# KiCad board PANEL7x5_ADS1293.kicad_pcb (continued)
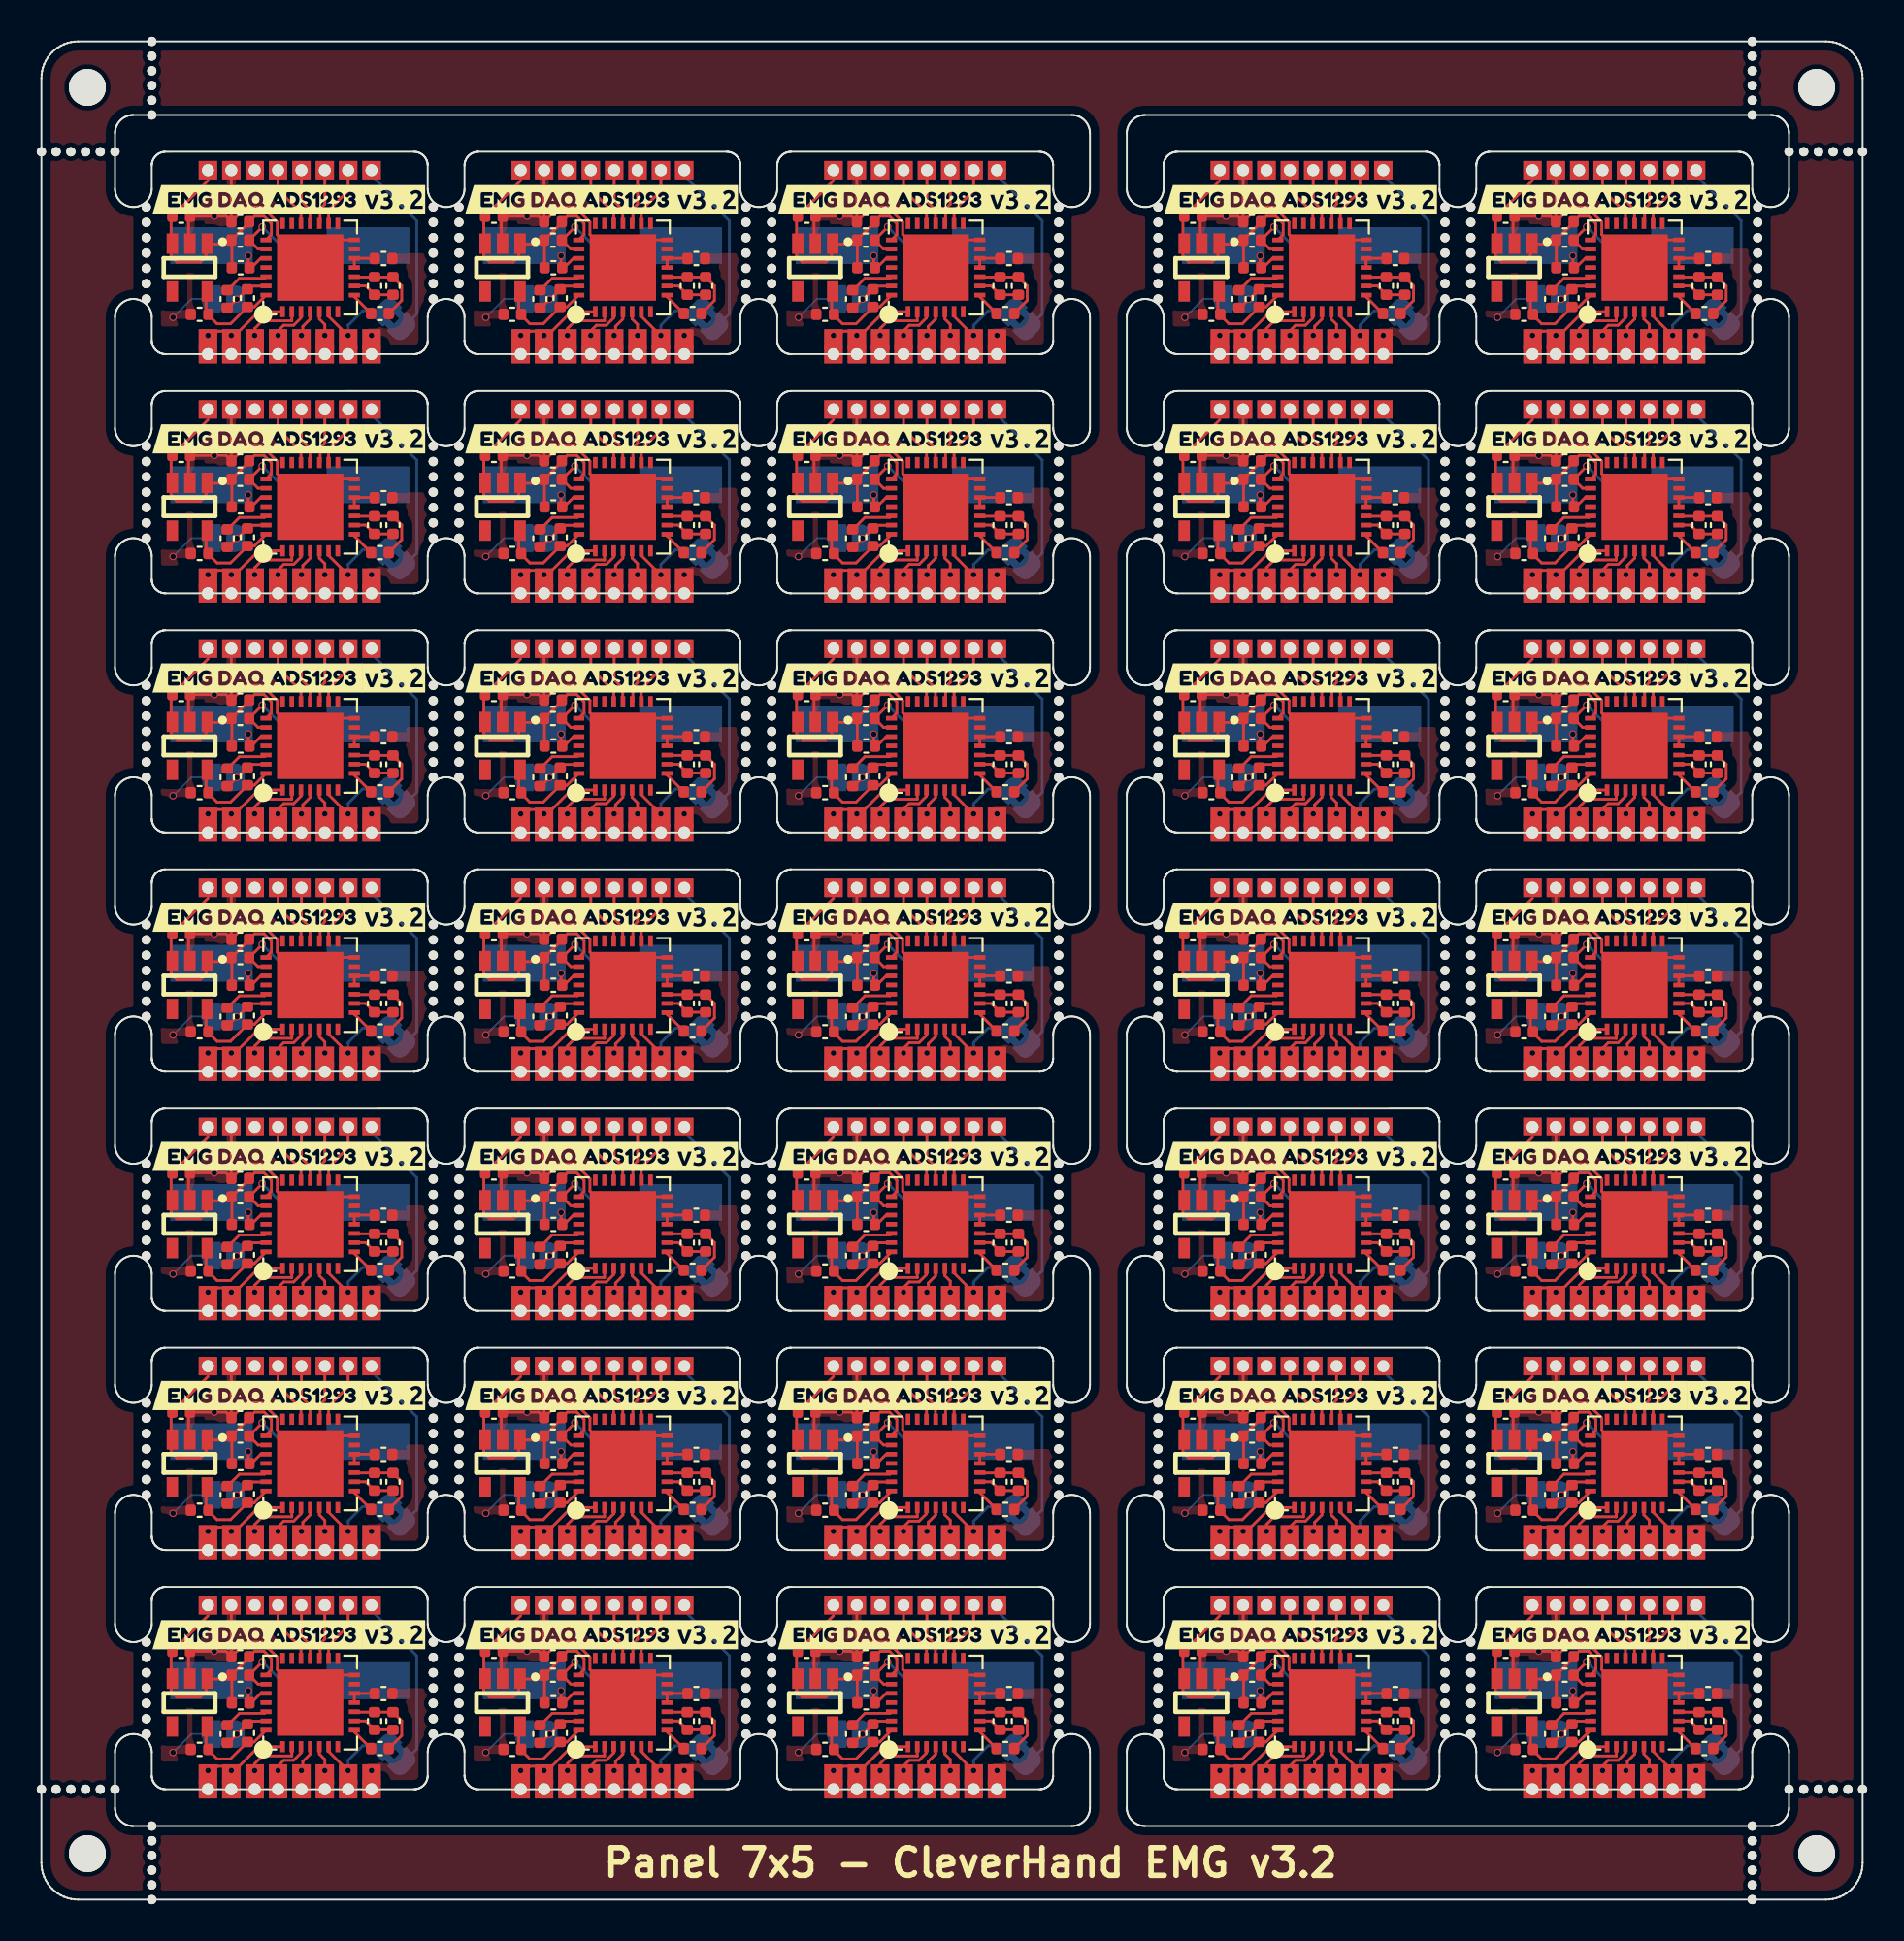
[diagram p0: board, top side]
## Placement (name value [footprint] x y rotation side) (continued)
U2#20  AP2112K-3.3TRG1  [SOT-25-5_L2.9-W1.6-P0.95-LS2.8-BL]  80.07 23.71 180 top
U2#21  AP2112K-3.3TRG1  [SOT-25-5_L2.9-W1.6-P0.95-LS2.8-BL]  25.07 36.71 180 top
U2#22  AP2112K-3.3TRG1  [SOT-25-5_L2.9-W1.6-P0.95-LS2.8-BL]  25.07 75.71 180 top
U2#23  AP2112K-3.3TRG1  [SOT-25-5_L2.9-W1.6-P0.95-LS2.8-BL]  42.07 23.71 180 top
U2#24  AP2112K-3.3TRG1  [SOT-25-5_L2.9-W1.6-P0.95-LS2.8-BL]  42.07 10.71 180 top
U2#25  AP2112K-3.3TRG1  [SOT-25-5_L2.9-W1.6-P0.95-LS2.8-BL]  42.07 36.71 180 top
U2#26  AP2112K-3.3TRG1  [SOT-25-5_L2.9-W1.6-P0.95-LS2.8-BL]  8.07 88.71 180 top
U2#27  AP2112K-3.3TRG1  [SOT-25-5_L2.9-W1.6-P0.95-LS2.8-BL]  80.07 36.71 180 top
U2#28  AP2112K-3.3TRG1  [SOT-25-5_L2.9-W1.6-P0.95-LS2.8-BL]  63.07 49.71 180 top
U2#29  AP2112K-3.3TRG1  [SOT-25-5_L2.9-W1.6-P0.95-LS2.8-BL]  80.07 49.71 180 top
U2#30  AP2112K-3.3TRG1  [SOT-25-5_L2.9-W1.6-P0.95-LS2.8-BL]  42.07 49.71 180 top
U2#31  AP2112K-3.3TRG1  [SOT-25-5_L2.9-W1.6-P0.95-LS2.8-BL]  25.07 23.71 180 top
U2#32  AP2112K-3.3TRG1  [SOT-25-5_L2.9-W1.6-P0.95-LS2.8-BL]  63.07 88.71 180 top
U2#33  AP2112K-3.3TRG1  [SOT-25-5_L2.9-W1.6-P0.95-LS2.8-BL]  8.07 75.71 180 top
U2#34  AP2112K-3.3TRG1  [SOT-25-5_L2.9-W1.6-P0.95-LS2.8-BL]  8.07 23.71 180 top
U2#35  AP2112K-3.3TRG1  [SOT-25-5_L2.9-W1.6-P0.95-LS2.8-BL]  42.07 75.71 180 top
Y1  Crystal  [Crystal_SMD_HC49-SD]  85.5 24.9 180 bottom
Y1#2  Crystal  [Crystal_SMD_HC49-SD]  47.5 76.9 180 bottom
Y1#3  Crystal  [Crystal_SMD_HC49-SD]  85.5 63.9 180 bottom
Y1#4  Crystal  [Crystal_SMD_HC49-SD]  68.5 76.9 180 bottom
Y1#5  Crystal  [Crystal_SMD_HC49-SD]  68.5 63.9 180 bottom
Y1#6  Crystal  [Crystal_SMD_HC49-SD]  68.5 89.9 180 bottom
Y1#7  Crystal  [Crystal_SMD_HC49-SD]  30.5 37.9 180 bottom
Y1#8  Crystal  [Crystal_SMD_HC49-SD]  47.5 11.9 180 bottom
Y1#9  Crystal  [Crystal_SMD_HC49-SD]  13.5 76.9 180 bottom
Y1#10  Crystal  [Crystal_SMD_HC49-SD]  85.5 89.9 180 bottom
Y1#11  Crystal  [Crystal_SMD_HC49-SD]  30.5 89.9 180 bottom
Y1#12  Crystal  [Crystal_SMD_HC49-SD]  68.5 11.9 180 bottom
Y1#13  Crystal  [Crystal_SMD_HC49-SD]  30.5 76.9 180 bottom
Y1#14  Crystal  [Crystal_SMD_HC49-SD]  68.5 50.9 180 bottom
Y1#15  Crystal  [Crystal_SMD_HC49-SD]  13.5 50.9 180 bottom
Y1#16  Crystal  [Crystal_SMD_HC49-SD]  13.5 37.9 180 bottom
Y1#17  Crystal  [Crystal_SMD_HC49-SD]  47.5 89.9 180 bottom
Y1#18  Crystal  [Crystal_SMD_HC49-SD]  47.5 63.9 180 bottom
Y1#19  Crystal  [Crystal_SMD_HC49-SD]  13.5 11.9 180 bottom
Y1#20  Crystal  [Crystal_SMD_HC49-SD]  85.5 76.9 180 bottom
Y1#21  Crystal  [Crystal_SMD_HC49-SD]  85.5 11.9 180 bottom
Y1#22  Crystal  [Crystal_SMD_HC49-SD]  47.5 37.9 180 bottom
Y1#23  Crystal  [Crystal_SMD_HC49-SD]  30.5 50.9 180 bottom
Y1#24  Crystal  [Crystal_SMD_HC49-SD]  30.5 11.9 180 bottom
Y1#25  Crystal  [Crystal_SMD_HC49-SD]  13.5 63.9 180 bottom
Y1#26  Crystal  [Crystal_SMD_HC49-SD]  85.5 50.9 180 bottom
Y1#27  Crystal  [Crystal_SMD_HC49-SD]  47.5 50.9 180 bottom
Y1#28  Crystal  [Crystal_SMD_HC49-SD]  30.5 63.9 180 bottom
Y1#29  Crystal  [Crystal_SMD_HC49-SD]  68.5 37.9 180 bottom
Y1#30  Crystal  [Crystal_SMD_HC49-SD]  13.5 89.9 180 bottom
Y1#31  Crystal  [Crystal_SMD_HC49-SD]  13.5 24.9 180 bottom
Y1#32  Crystal  [Crystal_SMD_HC49-SD]  30.5 24.9 180 bottom
Y1#33  Crystal  [Crystal_SMD_HC49-SD]  47.5 24.9 180 bottom
Y1#34  Crystal  [Crystal_SMD_HC49-SD]  68.5 24.9 180 bottom
Y1#35  Crystal  [Crystal_SMD_HC49-SD]  85.5 37.9 180 bottom

## Library data of the parts
U1 U1#2-U1#35 = -: LCSC: C181260; Field5: *; Field6: *
U2 U2#2-U2#35 = -: Datasheet: https://lcsc.com/product-detail/Low-Dropout-Regulators-LDO_DIODES_AP2112K-3-3TRG1_AP2112K-3-3TRG1_C51118.html; LCSC Part: C51118
Y1 Y1#2-Y1#35 = -: LCSC: C74858

## Footprints (pads in the part's own frame, mm; a bottom-side part is the same pattern mirrored in y, then rotated)
ADS1293CISQE
  rect 0.6x0.25 smd: 1(-2.4,1.5) 2(-2.4,1) 3(-2.4,0.5) 4(-2.4,0) 5(-2.4,-0.5) 6(-2.4,-1) 7(-2.4,-1.5) 15(2.4,-1.5) 16(2.4,-1) 17(2.4,-0.5) 18(2.4,0) 19(2.4,0.5) 20(2.4,1) 21(2.4,1.5)
  rect 0.25x0.6 smd: 8(-1.5,-2.4) 9(-1,-2.4) 10(-0.5,-2.4) 11(0,-2.4) 12(0.5,-2.4) 13(1,-2.4) 14(1.5,-2.4) 22(1.5,2.4) 23(1,2.4) 24(0.5,2.4) 25(0,2.4) 26(-0.5,2.4) 27(-1,2.4) 28(-1.5,2.4)
  rect 3.6x3.6 smd: 29(0,0)
C_0402_1005Metric
  rrect 0.56x0.62 smd: 1(-0.48,0) 2(0.48,0)
Crystal_SMD_HC49-SD
  rect 4.5x2 smd: 1(-4.25,0) 2(4.25,0)
NPTH
  round 0.5 hole 0.5 unplated: (0,0)
NPTH#2
  round 2 hole 2 unplated: (0,0)
PinHeader_1x01_P1.27mm_Vertical
  rect 1x1 hole 0.65: 1(0,0)
SolderJumper-2_P1.3mm_Bridged2Bar_RoundedPad1.0x1.5mm
  custom 1x1.5 smd: 1(-0.65,0) 2(0.65,0)
SOT-25-5_L2.9-W1.6-P0.95-LS2.8-BL
  rect 0.62x1.1 smd: 1(-0.95,-1.3) 2(0,-1.3) 3(0.95,-1.3) 4(0.95,1.3) 5(-0.95,1.3)

## Nets
Board_0-+3.3V: C3#22.1 C4#23.1 C5#34.1 C9#20.1 J13#26.1 U1#15.22 U2#26.1 U2#26.3
Board_0-+3.3VA: C1#13.1 C8#11.1 U1#15.28 U2#26.5
Board_0-/CMOUT: R1#30.2 U1#15.8
Board_0-/CSB: J12#17.1 U1#15.16
Board_0-/cvref: C2#17.1 U1#15.26
Board_0-/extRef: J7#23.1 JP2#7.1
Board_0-/in1: J2#29.1 J3#26.1 U1#15.1
Board_0-/in2: J4#4.1 U1#15.2
Board_0-/in3: J5#8.1 U1#15.3
Board_0-/in4: J6#10.1 U1#15.4
Board_0-/in5: J8#7.1 U1#15.5
Board_0-/in6: J15#33.1 JP2#7.2 U1#15.6
Board_0-/PICO: J10#12.1 U1#15.18
Board_0-/POCI: J9#22.1 U1#15.19
Board_0-/RLDINV: C6#16.1 R1#30.1 R2#32.1 U1#15.10
Board_0-/RLDOUT: C6#16.2 R2#32.2 U1#15.9
Board_0-/RLDREF: C7#15.1 U1#15.11 U1#15.12
Board_0-/SCLK: J11#24.1 U1#15.17
Board_0-GND: C5#34.2 C8#11.2 C9#20.2 J14#3.1 JP1#30.1 U1#15.14 U1#15.29 U2#26.2
Board_0-GNDA: C1#13.2 C2#17.2 C7#15.2 J16#27.1 JP1#30.2 U1#15.27
Board_0-unconnected-(J1-Pin_1-Pad1): J1#4.1
Board_0-unconnected-(U1-ALARMB-Pad15): U1#15.15
Board_0-unconnected-(U1-CLK-Pad21): U1#15.21
Board_0-unconnected-(U1-DRDYB-Pad20): U1#15.20
Board_0-unconnected-(U1-RSTB-Pad25): U1#15.25
Board_0-unconnected-(U1-SYNCB-Pad13): U1#15.13
Board_0-unconnected-(U1-WCT-Pad7): U1#15.7
Board_0-unconnected-(U2-NC-Pad4): U2#26.4
Board_0-XTAL1: C4#23.2 U1#15.23 Y1#30.1
Board_0-XTAL2: C3#22.2 U1#15.24 Y1#30.2
Board_1-+3.3V: C3#10.1 C4#25.1 C5#29.1 C9#10.1 J13#32.1 U1#28.22 U2#18.1 U2#18.3
Board_1-+3.3VA: C1#29.1 C8#33.1 U1#28.28 U2#18.5
Board_1-/CMOUT: R1#25.2 U1#28.8
Board_1-/CSB: J12#13.1 U1#28.16
Board_1-/cvref: C2#11.1 U1#28.26
Board_1-/extRef: J7#10.1 JP2#3.1
Board_1-/in1: J2#9.1 J3#29.1 U1#28.1
Board_1-/in2: J4#12.1 U1#28.2
Board_1-/in3: J5#9.1 U1#28.3
Board_1-/in4: J6#17.1 U1#28.4
Board_1-/in5: J8#26.1 U1#28.5
Board_1-/in6: J15.1 JP2#3.2 U1#28.6
Board_1-/PICO: J10#34.1 U1#28.18
Board_1-/POCI: J9#20.1 U1#28.19
Board_1-/RLDINV: C6#23.1 R1#25.1 R2#35.1 U1#28.10
Board_1-/RLDOUT: C6#23.2 R2#35.2 U1#28.9
Board_1-/RLDREF: C7#13.1 U1#28.11 U1#28.12
Board_1-/SCLK: J11#34.1 U1#28.17
Board_1-GND: C5#29.2 C8#33.2 C9#10.2 J14#21.1 JP1#31.1 U1#28.14 U1#28.29 U2#18.2
Board_1-GNDA: C1#29.2 C2#11.2 C7#13.2 J16#16.1 JP1#31.2 U1#28.27
Board_1-unconnected-(J1-Pin_1-Pad1): J1#20.1
Board_1-unconnected-(U1-ALARMB-Pad15): U1#28.15
Board_1-unconnected-(U1-CLK-Pad21): U1#28.21
Board_1-unconnected-(U1-DRDYB-Pad20): U1#28.20
Board_1-unconnected-(U1-RSTB-Pad25): U1#28.25
Board_1-unconnected-(U1-SYNCB-Pad13): U1#28.13
Board_1-unconnected-(U1-WCT-Pad7): U1#28.7
Board_1-unconnected-(U2-NC-Pad4): U2#18.4
Board_1-XTAL1: C4#25.2 U1#28.23 Y1#11.1
Board_1-XTAL2: C3#10.2 U1#28.24 Y1#11.2
Board_2-+3.3V: C3#17.1 C4#35.1 C5#11.1 C9#5.1 J13#24.1 U1#11.22 U2#13.1 U2#13.3
Board_2-+3.3VA: C1#19.1 C8#21.1 U1#11.28 U2#13.5
Board_2-/CMOUT: R1#9.2 U1#11.8
Board_2-/CSB: J12#31.1 U1#11.16
Board_2-/cvref: C2#2.1 U1#11.26
Board_2-/extRef: J7#30.1 JP2#20.1
Board_2-/in1: J2#17.1 J3#31.1 U1#11.1
Board_2-/in2: J4#25.1 U1#11.2
Board_2-/in3: J5#10.1 U1#11.3
Board_2-/in4: J6#15.1 U1#11.4
Board_2-/in5: J8#34.1 U1#11.5
Board_2-/in6: J15#25.1 JP2#20.2 U1#11.6
Board_2-/PICO: J10#27.1 U1#11.18
Board_2-/POCI: J9#19.1 U1#11.19
Board_2-/RLDINV: C6#8.1 R1#9.1 R2#16.1 U1#11.10
Board_2-/RLDOUT: C6#8.2 R2#16.2 U1#11.9
Board_2-/RLDREF: C7#30.1 U1#11.11 U1#11.12
Board_2-/SCLK: J11#14.1 U1#11.17
Board_2-GND: C5#11.2 C8#21.2 C9#5.2 J14#9.1 JP1#2.1 U1#11.14 U1#11.29 U2#13.2
Board_2-GNDA: C1#19.2 C2#2.2 C7#30.2 J16#6.1 JP1#2.2 U1#11.27
Board_2-unconnected-(J1-Pin_1-Pad1): J1#10.1
Board_2-unconnected-(U1-ALARMB-Pad15): U1#11.15
Board_2-unconnected-(U1-CLK-Pad21): U1#11.21
Board_2-unconnected-(U1-DRDYB-Pad20): U1#11.20
Board_2-unconnected-(U1-RSTB-Pad25): U1#11.25
Board_2-unconnected-(U1-SYNCB-Pad13): U1#11.13
Board_2-unconnected-(U1-WCT-Pad7): U1#11.7
Board_2-unconnected-(U2-NC-Pad4): U2#13.4
Board_2-XTAL1: C4#35.2 U1#11.23 Y1#17.1
Board_2-XTAL2: C3#17.2 U1#11.24 Y1#17.2
Board_3-+3.3V: C3#14.1 C4#4.1 C5#16.1 C9#22.1 J13#25.1 U1#7.22 U2#32.1 U2#32.3
Board_3-+3.3VA: C1#8.1 C8#19.1 U1#7.28 U2#32.5
Board_3-/CMOUT: R1#27.2 U1#7.8
Board_3-/CSB: J12#19.1 U1#7.16
Board_3-/cvref: C2#28.1 U1#7.26
Board_3-/extRef: J7#28.1 JP2#25.1
Board_3-/in1: J2#25.1 J3#32.1 U1#7.1
Board_3-/in2: J4#28.1 U1#7.2
Board_3-/in3: J5#4.1 U1#7.3
Board_3-/in4: J6#19.1 U1#7.4
Board_3-/in5: J8#29.1 U1#7.5
Board_3-/in6: J15#18.1 JP2#25.2 U1#7.6
Board_3-/PICO: J10#35.1 U1#7.18
Board_3-/POCI: J9#11.1 U1#7.19
Board_3-/RLDINV: C6#17.1 R1#27.1 R2#2.1 U1#7.10
Board_3-/RLDOUT: C6#17.2 R2#2.2 U1#7.9
Board_3-/RLDREF: C7#7.1 U1#7.11 U1#7.12
Board_3-/SCLK: J11#25.1 U1#7.17
Board_3-GND: C5#16.2 C8#19.2 C9#22.2 J14#5.1 JP1.1 U1#7.14 U1#7.29 U2#32.2
Board_3-GNDA: C1#8.2 C2#28.2 C7#7.2 J16#3.1 JP1.2 U1#7.27
Board_3-unconnected-(J1-Pin_1-Pad1): J1#26.1
Board_3-unconnected-(U1-ALARMB-Pad15): U1#7.15
Board_3-unconnected-(U1-CLK-Pad21): U1#7.21
Board_3-unconnected-(U1-DRDYB-Pad20): U1#7.20
Board_3-unconnected-(U1-RSTB-Pad25): U1#7.25
Board_3-unconnected-(U1-SYNCB-Pad13): U1#7.13
Board_3-unconnected-(U1-WCT-Pad7): U1#7.7
Board_3-unconnected-(U2-NC-Pad4): U2#32.4
Board_3-XTAL1: C4#4.2 U1#7.23 Y1#6.1
Board_3-XTAL2: C3#14.2 U1#7.24 Y1#6.2
Board_4-+3.3V: C3#6.1 C4#34.1 C5#14.1 C9#3.1 J13#19.1 U1#18.22 U2#11.1 U2#11.3
Board_4-+3.3VA: C1#25.1 C8#10.1 U1#18.28 U2#11.5
Board_4-/CMOUT: R1#10.2 U1#18.8
Board_4-/CSB: J12#28.1 U1#18.16
Board_4-/cvref: C2#19.1 U1#18.26
Board_4-/extRef: J7#18.1 JP2#29.1
Board_4-/in1: J2#24.1 J3#25.1 U1#18.1
Board_4-/in2: J4#17.1 U1#18.2
Board_4-/in3: J5#14.1 U1#18.3
Board_4-/in4: J6#22.1 U1#18.4
Board_4-/in5: J8#21.1 U1#18.5
Board_4-/in6: J15#24.1 JP2#29.2 U1#18.6
Board_4-/PICO: J10#4.1 U1#18.18
Board_4-/POCI: J9#33.1 U1#18.19
Board_4-/RLDINV: C6#27.1 R1#10.1 R2.1 U1#18.10
Board_4-/RLDOUT: C6#27.2 R2.2 U1#18.9
Board_4-/RLDREF: C7#26.1 U1#18.11 U1#18.12
Board_4-/SCLK: J11#22.1 U1#18.17
Board_4-GND: C5#14.2 C8#10.2 C9#3.2 J14#22.1 JP1#29.1 U1#18.14 U1#18.29 U2#11.2
Board_4-GNDA: C1#25.2 C2#19.2 C7#26.2 J16#30.1 JP1#29.2 U1#18.27
Board_4-unconnected-(J1-Pin_1-Pad1): J1#13.1
Board_4-unconnected-(U1-ALARMB-Pad15): U1#18.15
Board_4-unconnected-(U1-CLK-Pad21): U1#18.21
Board_4-unconnected-(U1-DRDYB-Pad20): U1#18.20
Board_4-unconnected-(U1-RSTB-Pad25): U1#18.25
Board_4-unconnected-(U1-SYNCB-Pad13): U1#18.13
Board_4-unconnected-(U1-WCT-Pad7): U1#18.7
Board_4-unconnected-(U2-NC-Pad4): U2#11.4
Board_4-XTAL1: C4#34.2 U1#18.23 Y1#10.1
Board_4-XTAL2: C3#6.2 U1#18.24 Y1#10.2
Board_5-+3.3V: C3#3.1 C4#30.1 C5#7.1 C9#24.1 J13#33.1 U1#23.22 U2#33.1 U2#33.3
Board_5-+3.3VA: C1#24.1 C8#17.1 U1#23.28 U2#33.5
Board_5-/CMOUT: R1#26.2 U1#23.8
Board_5-/CSB: J12#10.1 U1#23.16
Board_5-/cvref: C2#9.1 U1#23.26
Board_5-/extRef: J7#11.1 JP2#14.1
Board_5-/in1: J2#8.1 J3#14.1 U1#23.1
Board_5-/in2: J4#21.1 U1#23.2
Board_5-/in3: J5#3.1 U1#23.3
Board_5-/in4: J6#8.1 U1#23.4
Board_5-/in5: J8#14.1 U1#23.5
Board_5-/in6: J15#32.1 JP2#14.2 U1#23.6
Board_5-/PICO: J10#6.1 U1#23.18
Board_5-/POCI: J9#6.1 U1#23.19
Board_5-/RLDINV: C6#32.1 R1#26.1 R2#27.1 U1#23.10
Board_5-/RLDOUT: C6#32.2 R2#27.2 U1#23.9
Board_5-/RLDREF: C7#29.1 U1#23.11 U1#23.12
Board_5-/SCLK: J11#8.1 U1#23.17
Board_5-GND: C5#7.2 C8#17.2 C9#24.2 J14#28.1 JP1#3.1 U1#23.14 U1#23.29 U2#33.2
Board_5-GNDA: C1#24.2 C2#9.2 C7#29.2 J16#5.1 JP1#3.2 U1#23.27
Board_5-unconnected-(J1-Pin_1-Pad1): J1#6.1
Board_5-unconnected-(U1-ALARMB-Pad15): U1#23.15
Board_5-unconnected-(U1-CLK-Pad21): U1#23.21
Board_5-unconnected-(U1-DRDYB-Pad20): U1#23.20
Board_5-unconnected-(U1-RSTB-Pad25): U1#23.25
Board_5-unconnected-(U1-SYNCB-Pad13): U1#23.13
Board_5-unconnected-(U1-WCT-Pad7): U1#23.7
Board_5-unconnected-(U2-NC-Pad4): U2#33.4
Board_5-XTAL1: C4#30.2 U1#23.23 Y1#9.1
Board_5-XTAL2: C3#3.2 U1#23.24 Y1#9.2
Board_6-+3.3V: C3#29.1 C4#21.1 C5#23.1 C9#9.1 J13#23.1 U1#31.22 U2#22.1 U2#22.3
Board_6-+3.3VA: C1#7.1 C8#22.1 U1#31.28 U2#22.5
Board_6-/CMOUT: R1#28.2 U1#31.8
Board_6-/CSB: J12#8.1 U1#31.16
Board_6-/cvref: C2.1 U1#31.26
Board_6-/extRef: J7#34.1 JP2#35.1
Board_6-/in1: J2#6.1 J3#5.1 U1#31.1
Board_6-/in2: J4#30.1 U1#31.2
Board_6-/in3: J5.1 U1#31.3
Board_6-/in4: J6#20.1 U1#31.4
Board_6-/in5: J8#19.1 U1#31.5
Board_6-/in6: J15#16.1 JP2#35.2 U1#31.6
Board_6-/PICO: J10#9.1 U1#31.18
Board_6-/POCI: J9#27.1 U1#31.19
Board_6-/RLDINV: C6#5.1 R1#28.1 R2#6.1 U1#31.10
Board_6-/RLDOUT: C6#5.2 R2#6.2 U1#31.9
Board_6-/RLDREF: C7#8.1 U1#31.11 U1#31.12
Board_6-/SCLK: J11#17.1 U1#31.17
Board_6-GND: C5#23.2 C8#22.2 C9#9.2 J14#31.1 JP1#24.1 U1#31.14 U1#31.29 U2#22.2
Board_6-GNDA: C1#7.2 C2.2 C7#8.2 J16.1 JP1#24.2 U1#31.27
Board_6-unconnected-(J1-Pin_1-Pad1): J1#23.1
Board_6-unconnected-(U1-ALARMB-Pad15): U1#31.15
Board_6-unconnected-(U1-CLK-Pad21): U1#31.21
Board_6-unconnected-(U1-DRDYB-Pad20): U1#31.20
Board_6-unconnected-(U1-RSTB-Pad25): U1#31.25
Board_6-unconnected-(U1-SYNCB-Pad13): U1#31.13
Board_6-unconnected-(U1-WCT-Pad7): U1#31.7
Board_6-unconnected-(U2-NC-Pad4): U2#22.4
Board_6-XTAL1: C4#21.2 U1#31.23 Y1#13.1
Board_6-XTAL2: C3#29.2 U1#31.24 Y1#13.2
Board_7-+3.3V: C3#11.1 C4#9.1 C5#9.1 C9#35.1 J13#22.1 U1#30.22 U2#35.1 U2#35.3
Board_7-+3.3VA: C1#9.1 C8#35.1 U1#30.28 U2#35.5
Board_7-/CMOUT: R1#6.2 U1#30.8
Board_7-/CSB: J12#11.1 U1#30.16
Board_7-/cvref: C2#5.1 U1#30.26
Board_7-/extRef: J7#8.1 JP2#11.1
Board_7-/in1: J2#4.1 J3#18.1 U1#30.1
Board_7-/in2: J4#3.1 U1#30.2
Board_7-/in3: J5#25.1 U1#30.3
Board_7-/in4: J6#23.1 U1#30.4
Board_7-/in5: J8.1 U1#30.5
Board_7-/in6: J15#12.1 JP2#11.2 U1#30.6
Board_7-/PICO: J10#15.1 U1#30.18
Board_7-/POCI: J9#16.1 U1#30.19
Board_7-/RLDINV: C6#14.1 R1#6.1 R2#24.1 U1#30.10
Board_7-/RLDOUT: C6#14.2 R2#24.2 U1#30.9
Board_7-/RLDREF: C7#22.1 U1#30.11 U1#30.12
Board_7-/SCLK: J11#23.1 U1#30.17
Board_7-GND: C5#9.2 C8#35.2 C9#35.2 J14#19.1 JP1#16.1 U1#30.14 U1#30.29 U2#35.2
Board_7-GNDA: C1#9.2 C2#5.2 C7#22.2 J16#24.1 JP1#16.2 U1#30.27
Board_7-unconnected-(J1-Pin_1-Pad1): J1#32.1
Board_7-unconnected-(U1-ALARMB-Pad15): U1#30.15
Board_7-unconnected-(U1-CLK-Pad21): U1#30.21
Board_7-unconnected-(U1-DRDYB-Pad20): U1#30.20
Board_7-unconnected-(U1-RSTB-Pad25): U1#30.25
Board_7-unconnected-(U1-SYNCB-Pad13): U1#30.13
Board_7-unconnected-(U1-WCT-Pad7): U1#30.7
Board_7-unconnected-(U2-NC-Pad4): U2#35.4
Board_7-XTAL1: C4#9.2 U1#30.23 Y1#2.1
Board_7-XTAL2: C3#11.2 U1#30.24 Y1#2.2
Board_8-+3.3V: C3#7.1 C4#33.1 C5#12.1 C9#19.1 J13#5.1 U1#27.22 U2#8.1 U2#8.3
Board_8-+3.3VA: C1#10.1 C8#14.1 U1#27.28 U2#8.5
Board_8-/CMOUT: R1#12.2 U1#27.8
Board_8-/CSB: J12#26.1 U1#27.16
Board_8-/cvref: C2#29.1 U1#27.26
Board_8-/extRef: J7#25.1 JP2#15.1
Board_8-/in1: J2#12.1 J3#2.1 U1#27.1
Board_8-/in2: J4.1 U1#27.2
Board_8-/in3: J5#11.1 U1#27.3
Board_8-/in4: J6#34.1 U1#27.4
Board_8-/in5: J8#31.1 U1#27.5
Board_8-/in6: J15#5.1 JP2#15.2 U1#27.6
Board_8-/PICO: J10#31.1 U1#27.18
Board_8-/POCI: J9#9.1 U1#27.19
Board_8-/RLDINV: C6#21.1 R1#12.1 R2#7.1 U1#27.10
Board_8-/RLDOUT: C6#21.2 R2#7.2 U1#27.9
Board_8-/RLDREF: C7#27.1 U1#27.11 U1#27.12
Board_8-/SCLK: J11#15.1 U1#27.17
Board_8-GND: C5#12.2 C8#14.2 C9#19.2 J14#33.1 JP1#7.1 U1#27.14 U1#27.29 U2#8.2
Board_8-GNDA: C1#10.2 C2#29.2 C7#27.2 J16#35.1 JP1#7.2 U1#27.27
Board_8-unconnected-(J1-Pin_1-Pad1): J1#24.1
Board_8-unconnected-(U1-ALARMB-Pad15): U1#27.15
Board_8-unconnected-(U1-CLK-Pad21): U1#27.21
Board_8-unconnected-(U1-DRDYB-Pad20): U1#27.20
Board_8-unconnected-(U1-RSTB-Pad25): U1#27.25
Board_8-unconnected-(U1-SYNCB-Pad13): U1#27.13
Board_8-unconnected-(U1-WCT-Pad7): U1#27.7
Board_8-unconnected-(U2-NC-Pad4): U2#8.4
Board_8-XTAL1: C4#33.2 U1#27.23 Y1#4.1
Board_8-XTAL2: C3#7.2 U1#27.24 Y1#4.2
Board_9-+3.3V: C3#34.1 C4#20.1 C5#24.1 C9#27.1 J13#3.1 U1#5.22 U2#19.1 U2#19.3
Board_9-+3.3VA: C1#17.1 C8#16.1 U1#5.28 U2#19.5
Board_9-/CMOUT: R1#13.2 U1#5.8
Board_9-/CSB: J12#14.1 U1#5.16
Board_9-/cvref: C2#7.1 U1#5.26
Board_9-/extRef: J7#35.1 JP2#23.1
Board_9-/in1: J2#34.1 J3#17.1 U1#5.1
Board_9-/in2: J4#7.1 U1#5.2
Board_9-/in3: J5#27.1 U1#5.3
Board_9-/in4: J6#18.1 U1#5.4
Board_9-/in5: J8#10.1 U1#5.5
Board_9-/in6: J15#11.1 JP2#23.2 U1#5.6
Board_9-/PICO: J10#25.1 U1#5.18
Board_9-/POCI: J9#30.1 U1#5.19
Board_9-/RLDINV: C6#28.1 R1#13.1 R2#12.1 U1#5.10
Board_9-/RLDOUT: C6#28.2 R2#12.2 U1#5.9
Board_9-/RLDREF: C7#10.1 U1#5.11 U1#5.12
Board_9-/SCLK: J11#16.1 U1#5.17
Board_9-GND: C5#24.2 C8#16.2 C9#27.2 J14#17.1 JP1#21.1 U1#5.14 U1#5.29 U2#19.2
Board_9-GNDA: C1#17.2 C2#7.2 C7#10.2 J16#9.1 JP1#21.2 U1#5.27
Board_9-unconnected-(J1-Pin_1-Pad1): J1#27.1
Board_9-unconnected-(U1-ALARMB-Pad15): U1#5.15
Board_9-unconnected-(U1-CLK-Pad21): U1#5.21
Board_9-unconnected-(U1-DRDYB-Pad20): U1#5.20
Board_9-unconnected-(U1-RSTB-Pad25): U1#5.25
Board_9-unconnected-(U1-SYNCB-Pad13): U1#5.13
Board_9-unconnected-(U1-WCT-Pad7): U1#5.7
Board_9-unconnected-(U2-NC-Pad4): U2#19.4
Board_9-XTAL1: C4#20.2 U1#5.23 Y1#20.1
Board_9-XTAL2: C3#34.2 U1#5.24 Y1#20.2
Board_10-+3.3V: C3.1 C4#26.1 C5#26.1 C9#17.1 J13#30.1 U1#3.22 U2.1 U2.3
Board_10-+3.3VA: C1#15.1 C8#23.1 U1#3.28 U2.5
Board_10-/CMOUT: R1#22.2 U1#3.8
Board_10-/CSB: J12#18.1 U1#3.16
Board_10-/cvref: C2#30.1 U1#3.26
Board_10-/extRef: J7#13.1 JP2#26.1
Board_10-/in1: J2#32.1 J3#28.1 U1#3.1
Board_10-/in2: J4#27.1 U1#3.2
Board_10-/in3: J5#31.1 U1#3.3
Board_10-/in4: J6#6.1 U1#3.4
Board_10-/in5: J8#22.1 U1#3.5
Board_10-/in6: J15#17.1 JP2#26.2 U1#3.6
Board_10-/PICO: J10#24.1 U1#3.18
Board_10-/POCI: J9#34.1 U1#3.19
Board_10-/RLDINV: C6.1 R1#22.1 R2#19.1 U1#3.10
Board_10-/RLDOUT: C6.2 R2#19.2 U1#3.9
Board_10-/RLDREF: C7#18.1 U1#3.11 U1#3.12
Board_10-/SCLK: J11#27.1 U1#3.17
Board_10-GND: C5#26.2 C8#23.2 C9#17.2 J14#13.1 JP1#13.1 U1#3.14 U1#3.29 U2.2
Board_10-GNDA: C1#15.2 C2#30.2 C7#18.2 J16#31.1 JP1#13.2 U1#3.27
Board_10-unconnected-(J1-Pin_1-Pad1): J1#21.1
Board_10-unconnected-(U1-ALARMB-Pad15): U1#3.15
Board_10-unconnected-(U1-CLK-Pad21): U1#3.21
Board_10-unconnected-(U1-DRDYB-Pad20): U1#3.20
Board_10-unconnected-(U1-RSTB-Pad25): U1#3.25
Board_10-unconnected-(U1-SYNCB-Pad13): U1#3.13
Board_10-unconnected-(U1-WCT-Pad7): U1#3.7
Board_10-unconnected-(U2-NC-Pad4): U2.4
Board_10-XTAL1: C4#26.2 U1#3.23 Y1#25.1
Board_10-XTAL2: C3.2 U1#3.24 Y1#25.2
Board_11-+3.3V: C3#35.1 C4#31.1 C5#30.1 C9#21.1 J13#21.1 U1#29.22 U2#16.1 U2#16.3
Board_11-+3.3VA: C1#35.1 C8#3.1 U1#29.28 U2#16.5
Board_11-/CMOUT: R1#15.2 U1#29.8
Board_11-/CSB: J12#33.1 U1#29.16
Board_11-/cvref: C2#32.1 U1#29.26
Board_11-/extRef: J7#19.1 JP2#16.1
Board_11-/in1: J2#5.1 J3#13.1 U1#29.1
Board_11-/in2: J4#5.1 U1#29.2
Board_11-/in3: J5#6.1 U1#29.3
Board_11-/in4: J6#4.1 U1#29.4
Board_11-/in5: J8#4.1 U1#29.5
Board_11-/in6: J15#21.1 JP2#16.2 U1#29.6
Board_11-/PICO: J10#8.1 U1#29.18
Board_11-/POCI: J9#8.1 U1#29.19
Board_11-/RLDINV: C6#15.1 R1#15.1 R2#5.1 U1#29.10
Board_11-/RLDOUT: C6#15.2 R2#5.2 U1#29.9
Board_11-/RLDREF: C7.1 U1#29.11 U1#29.12
Board_11-/SCLK: J11#18.1 U1#29.17
Board_11-GND: C5#30.2 C8#3.2 C9#21.2 J14#6.1 JP1#23.1 U1#29.14 U1#29.29 U2#16.2
Board_11-GNDA: C1#35.2 C2#32.2 C7.2 J16#15.1 JP1#23.2 U1#29.27
Board_11-unconnected-(J1-Pin_1-Pad1): J1#11.1
Board_11-unconnected-(U1-ALARMB-Pad15): U1#29.15
Board_11-unconnected-(U1-CLK-Pad21): U1#29.21
Board_11-unconnected-(U1-DRDYB-Pad20): U1#29.20
Board_11-unconnected-(U1-RSTB-Pad25): U1#29.25
Board_11-unconnected-(U1-SYNCB-Pad13): U1#29.13
Board_11-unconnected-(U1-WCT-Pad7): U1#29.7
Board_11-unconnected-(U2-NC-Pad4): U2#16.4
Board_11-XTAL1: C4#31.2 U1#29.23 Y1#28.1
Board_11-XTAL2: C3#35.2 U1#29.24 Y1#28.2
Board_12-+3.3V: C3#23.1 C4#11.1 C5#21.1 C9#15.1 J13#28.1 U1#25.22 U2#7.1 U2#7.3
Board_12-+3.3VA: C1#30.1 C8#6.1 U1#25.28 U2#7.5
Board_12-/CMOUT: R1#35.2 U1#25.8
Board_12-/CSB: J12#35.1 U1#25.16
Board_12-/cvref: C2#6.1 U1#25.26
Board_12-/extRef: J7#32.1 JP2#30.1
Board_12-/in1: J2#26.1 J3#6.1 U1#25.1
Board_12-/in2: J4#22.1 U1#25.2
Board_12-/in3: J5#32.1 U1#25.3
Board_12-/in4: J6#35.1 U1#25.4
Board_12-/in5: J8#24.1 U1#25.5
Board_12-/in6: J15#4.1 JP2#30.2 U1#25.6
Board_12-/PICO: J10#2.1 U1#25.18
Board_12-/POCI: J9#7.1 U1#25.19
Board_12-/RLDINV: C6#34.1 R1#35.1 R2#28.1 U1#25.10
Board_12-/RLDOUT: C6#34.2 R2#28.2 U1#25.9
Board_12-/RLDREF: C7#32.1 U1#25.11 U1#25.12
Board_12-/SCLK: J11#31.1 U1#25.17
Board_12-GND: C5#21.2 C8#6.2 C9#15.2 J14#2.1 JP1#11.1 U1#25.14 U1#25.29 U2#7.2
Board_12-GNDA: C1#30.2 C2#6.2 C7#32.2 J16#20.1 JP1#11.2 U1#25.27
Board_12-unconnected-(J1-Pin_1-Pad1): J1#34.1
Board_12-unconnected-(U1-ALARMB-Pad15): U1#25.15
Board_12-unconnected-(U1-CLK-Pad21): U1#25.21
Board_12-unconnected-(U1-DRDYB-Pad20): U1#25.20
Board_12-unconnected-(U1-RSTB-Pad25): U1#25.25
Board_12-unconnected-(U1-SYNCB-Pad13): U1#25.13
Board_12-unconnected-(U1-WCT-Pad7): U1#25.7
Board_12-unconnected-(U2-NC-Pad4): U2#7.4
Board_12-XTAL1: C4#11.2 U1#25.23 Y1#18.1
Board_12-XTAL2: C3#23.2 U1#25.24 Y1#18.2
Board_13-+3.3V: C3#20.1 C4#10.1 C5#6.1 C9#6.1 J13#2.1 U1#16.22 U2#6.1 U2#6.3
Board_13-+3.3VA: C1#21.1 C8#13.1 U1#16.28 U2#6.5
Board_13-/CMOUT: R1#2.2 U1#16.8
Board_13-/CSB: J12#16.1 U1#16.16
Board_13-/cvref: C2#15.1 U1#16.26
Board_13-/extRef: J7#33.1 JP2#24.1
Board_13-/in1: J2#31.1 J3#4.1 U1#16.1
Board_13-/in2: J4#18.1 U1#16.2
Board_13-/in3: J5#15.1 U1#16.3
Board_13-/in4: J6#16.1 U1#16.4
Board_13-/in5: J8#15.1 U1#16.5
Board_13-/in6: J15#10.1 JP2#24.2 U1#16.6
Board_13-/PICO: J10#22.1 U1#16.18
Board_13-/POCI: J9#10.1 U1#16.19
Board_13-/RLDINV: C6#3.1 R1#2.1 R2#29.1 U1#16.10
Board_13-/RLDOUT: C6#3.2 R2#29.2 U1#16.9
Board_13-/RLDREF: C7#6.1 U1#16.11 U1#16.12
Board_13-/SCLK: J11#12.1 U1#16.17
Board_13-GND: C5#6.2 C8#13.2 C9#6.2 J14#25.1 JP1#35.1 U1#16.14 U1#16.29 U2#6.2
Board_13-GNDA: C1#21.2 C2#15.2 C7#6.2 J16#23.1 JP1#35.2 U1#16.27
Board_13-unconnected-(J1-Pin_1-Pad1): J1#17.1
Board_13-unconnected-(U1-ALARMB-Pad15): U1#16.15
Board_13-unconnected-(U1-CLK-Pad21): U1#16.21
Board_13-unconnected-(U1-DRDYB-Pad20): U1#16.20
Board_13-unconnected-(U1-RSTB-Pad25): U1#16.25
Board_13-unconnected-(U1-SYNCB-Pad13): U1#16.13
Board_13-unconnected-(U1-WCT-Pad7): U1#16.7
Board_13-unconnected-(U2-NC-Pad4): U2#6.4
Board_13-XTAL1: C4#10.2 U1#16.23 Y1#5.1
Board_13-XTAL2: C3#20.2 U1#16.24 Y1#5.2
Board_14-+3.3V: C3#28.1 C4#6.1 C5#17.1 C9.1 J13#20.1 U1#9.22 U2#4.1 U2#4.3
Board_14-+3.3VA: C1#23.1 C8#5.1 U1#9.28 U2#4.5
Board_14-/CMOUT: R1#11.2 U1#9.8
Board_14-/CSB: J12#27.1 U1#9.16
Board_14-/cvref: C2#10.1 U1#9.26
Board_14-/extRef: J7#22.1 JP2#28.1
Board_14-/in1: J2#30.1 J3#15.1 U1#9.1
Board_14-/in2: J4#14.1 U1#9.2
Board_14-/in3: J5#26.1 U1#9.3
Board_14-/in4: J6#14.1 U1#9.4
Board_14-/in5: J8#23.1 U1#9.5
Board_14-/in6: J15#7.1 JP2#28.2 U1#9.6
Board_14-/PICO: J10#10.1 U1#9.18
Board_14-/POCI: J9#23.1 U1#9.19
Board_14-/RLDINV: C6#10.1 R1#11.1 R2#9.1 U1#9.10
Board_14-/RLDOUT: C6#10.2 R2#9.2 U1#9.9
Board_14-/RLDREF: C7#12.1 U1#9.11 U1#9.12
Board_14-/SCLK: J11#35.1 U1#9.17
Board_14-GND: C5#17.2 C8#5.2 C9.2 J14#8.1 JP1#27.1 U1#9.14 U1#9.29 U2#4.2
Board_14-GNDA: C1#23.2 C2#10.2 C7#12.2 J16#11.1 JP1#27.2 U1#9.27
Board_14-unconnected-(J1-Pin_1-Pad1): J1#9.1
Board_14-unconnected-(U1-ALARMB-Pad15): U1#9.15
Board_14-unconnected-(U1-CLK-Pad21): U1#9.21
Board_14-unconnected-(U1-DRDYB-Pad20): U1#9.20
Board_14-unconnected-(U1-RSTB-Pad25): U1#9.25
Board_14-unconnected-(U1-SYNCB-Pad13): U1#9.13
Board_14-unconnected-(U1-WCT-Pad7): U1#9.7
Board_14-unconnected-(U2-NC-Pad4): U2#4.4
Board_14-XTAL1: C4#6.2 U1#9.23 Y1#3.1
Board_14-XTAL2: C3#28.2 U1#9.24 Y1#3.2
Board_15-+3.3V: C3#12.1 C4#3.1 C5#31.1 C9#30.1 J13#14.1 U1#22.22 U2#14.1 U2#14.3
Board_15-+3.3VA: C1#22.1 C8#32.1 U1#22.28 U2#14.5
Board_15-/CMOUT: R1#32.2 U1#22.8
Board_15-/CSB: J12#20.1 U1#22.16
Board_15-/cvref: C2#16.1 U1#22.26
Board_15-/extRef: J7.1 JP2#4.1
Board_15-/in1: J2#3.1 J3#3.1 U1#22.1
Board_15-/in2: J4#15.1 U1#22.2
Board_15-/in3: J5#7.1 U1#22.3
Board_15-/in4: J6#21.1 U1#22.4
Board_15-/in5: J8#16.1 U1#22.5
Board_15-/in6: J15#26.1 JP2#4.2 U1#22.6
Board_15-/PICO: J10#11.1 U1#22.18
Board_15-/POCI: J9#2.1 U1#22.19
Board_15-/RLDINV: C6#2.1 R1#32.1 R2#21.1 U1#22.10
Board_15-/RLDOUT: C6#2.2 R2#21.2 U1#22.9
Board_15-/RLDREF: C7#3.1 U1#22.11 U1#22.12
Board_15-/SCLK: J11#33.1 U1#22.17
Board_15-GND: C5#31.2 C8#32.2 C9#30.2 J14#7.1 JP1#8.1 U1#22.14 U1#22.29 U2#14.2
Board_15-GNDA: C1#22.2 C2#16.2 C7#3.2 J16#29.1 JP1#8.2 U1#22.27
Board_15-unconnected-(J1-Pin_1-Pad1): J1.1
Board_15-unconnected-(U1-ALARMB-Pad15): U1#22.15
Board_15-unconnected-(U1-CLK-Pad21): U1#22.21
Board_15-unconnected-(U1-DRDYB-Pad20): U1#22.20
Board_15-unconnected-(U1-RSTB-Pad25): U1#22.25
Board_15-unconnected-(U1-SYNCB-Pad13): U1#22.13
Board_15-unconnected-(U1-WCT-Pad7): U1#22.7
Board_15-unconnected-(U2-NC-Pad4): U2#14.4
Board_15-XTAL1: C4#3.2 U1#22.23 Y1#15.1
Board_15-XTAL2: C3#12.2 U1#22.24 Y1#15.2
Board_16-+3.3V: C3#18.1 C4#17.1 C5#13.1 C9#16.1 J13#10.1 U1#35.22 U2#12.1 U2#12.3